# Altium PCB LAY-94611_B.PcbDoc (part 2 of 16)
Units mil, origin at the board's own origin, x right, y up, seen from the top; angles counter-clockwise.
Board outline 4133.86 x 2559.05 mil, 10 copper layers (TOP, GND02, ART03, PWR04, PWR05, ART06, GND7, ART08, GND09, BOTTOM), stack 57.82 mil thick; 1104 components, 727 nets, 3774 pads, 1630 vias.
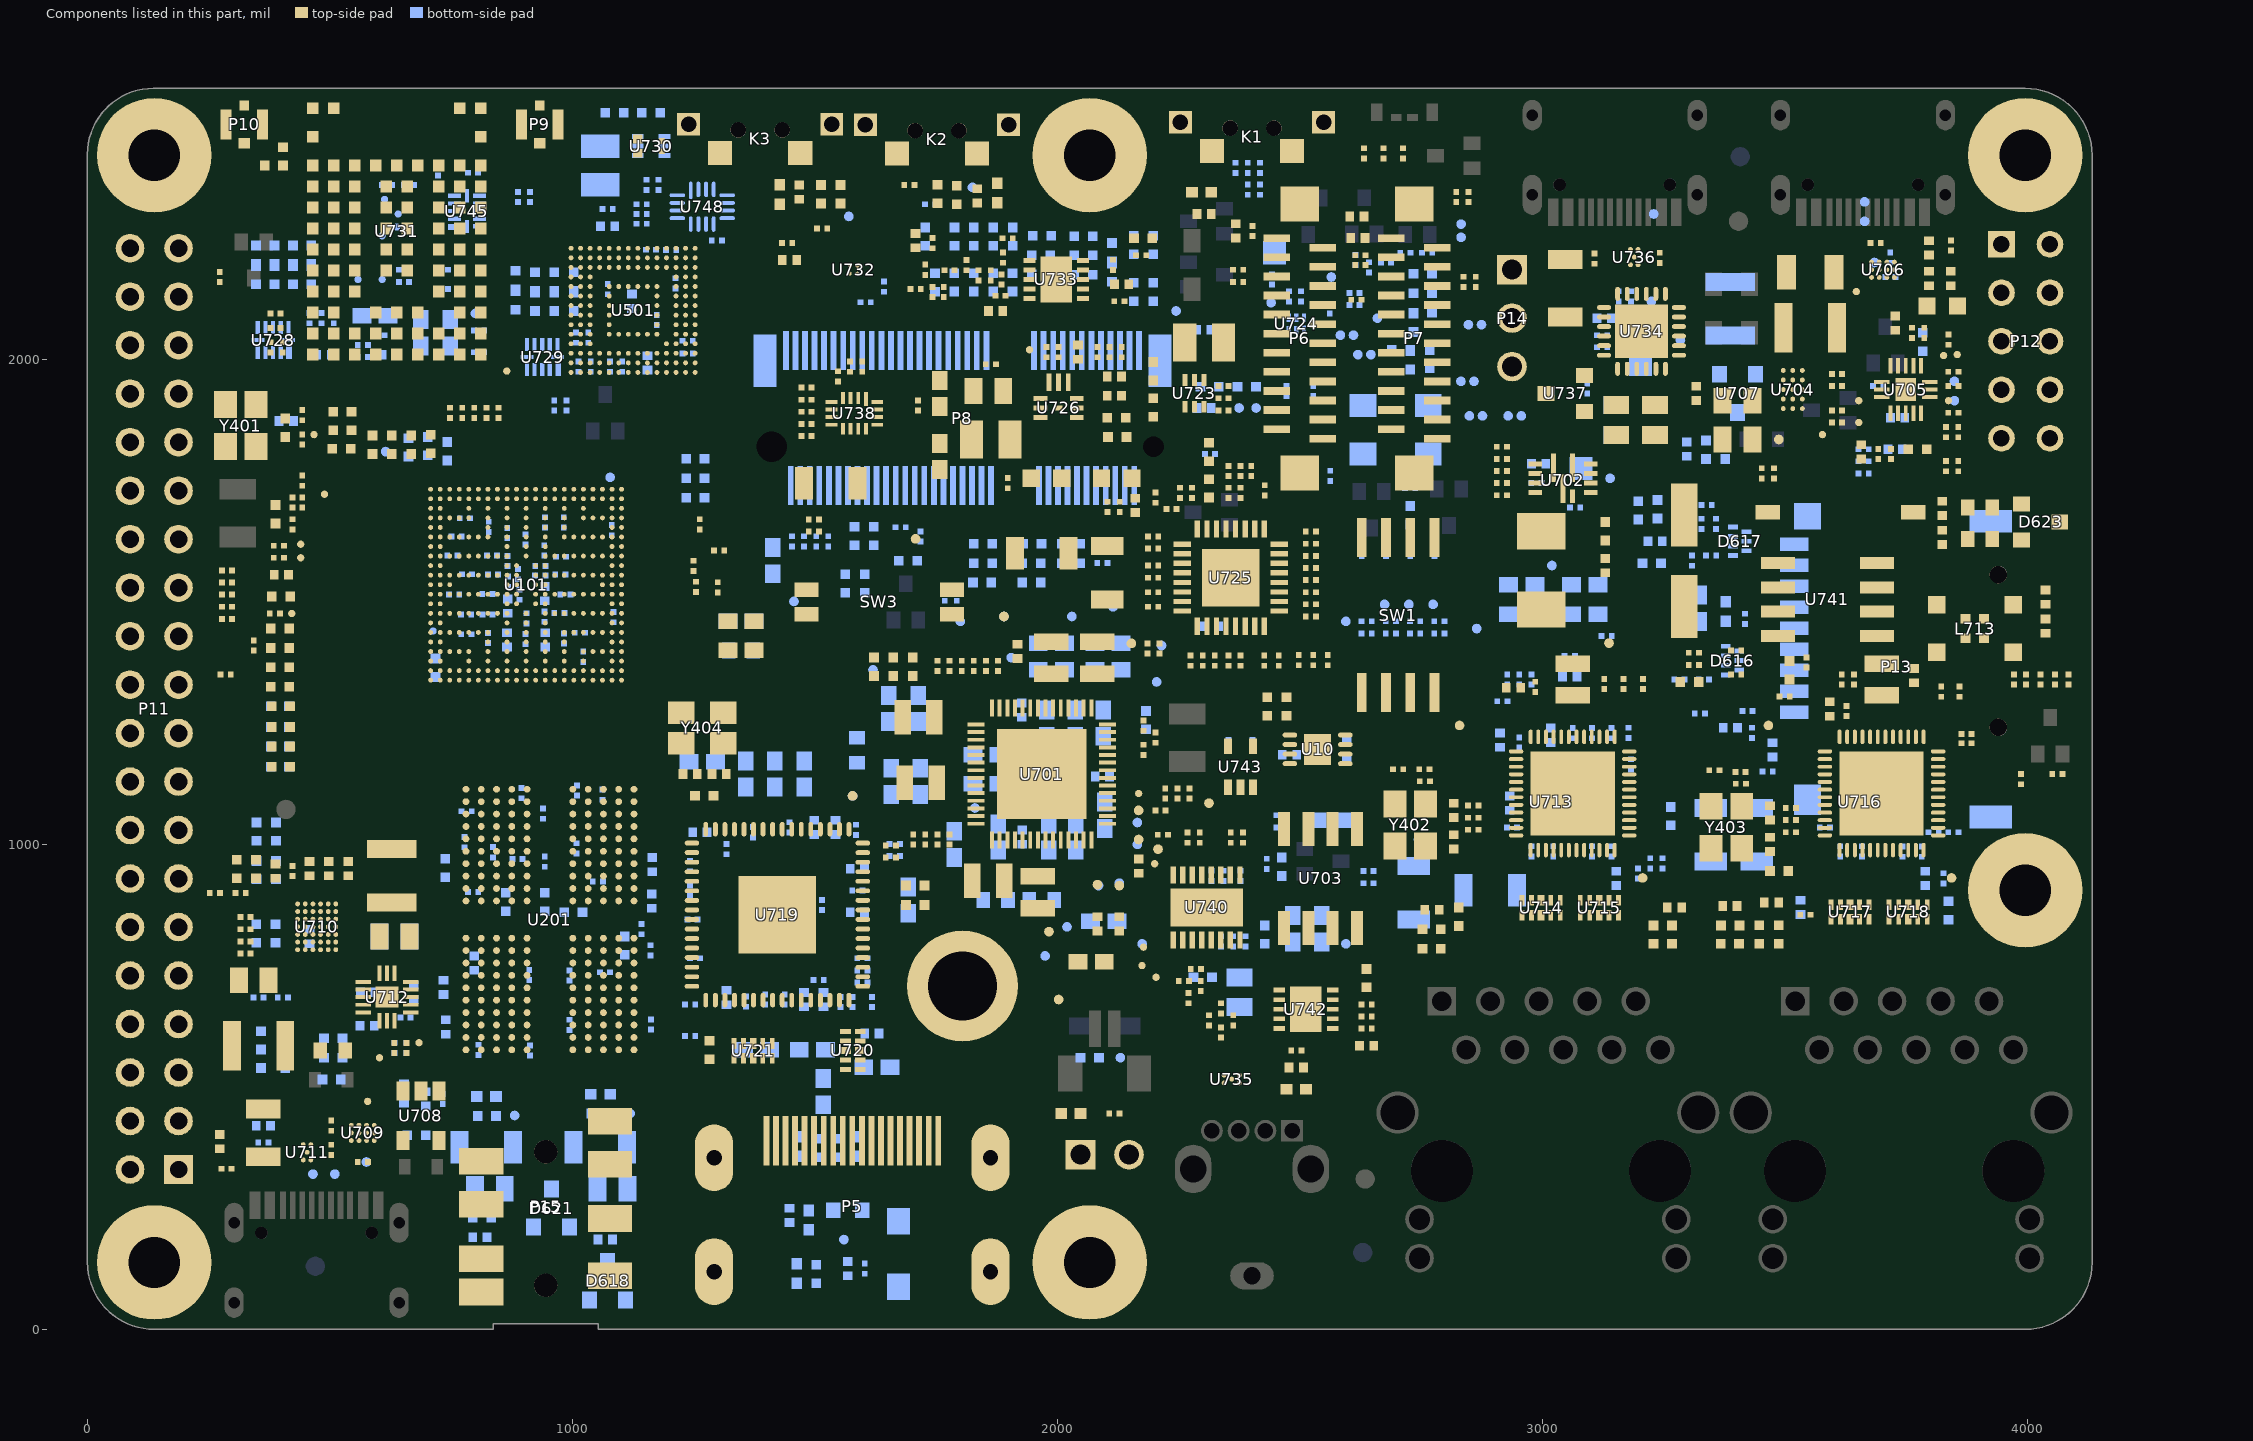
[diagram p10: the components of this part, seen from the top]

## Components (designator, comment, footprint, x,y, rotation, side; value= is the part's Value field where it differs from the comment) (continued)
R2819 "0R" R0402 1907.84,2252.2 r270 bottom
R2820 "0R" R0402 1867.84,2252.2 r270 bottom
R2821 "0R" R0402 1827.84,2252.2 r270 bottom
R2822 "10K" R0402 1965.6,2175.04 r180 bottom
R2823 "10K" R0402 2055,2174.96 r0 bottom
R2824 "0R" R0402 2112.72,2180 r90 bottom
R2825 "0R" R0402 2055,2214.96 r0 bottom
R2826 "0R" R0402 1965.6,2215.04 r180 bottom
R2827 "0R" R0402 1907.72,2160 r90 bottom
R2828 "0R" R0402 1867.72,2160 r90 bottom
R2829 "0R" R0402 1827.72,2160 r90 bottom
R2830 "0R" R0402 1846,1539.96 r0 bottom
R2831 "1K" R0201 2202.8,1715 r270 top
R2832 "0R" R0402 1845.6,1580.04 r180 bottom
R2833 "0R" R0402 1845.6,1620.04 r180 bottom
R2834 "0R" R0402 1948,1579.96 r0 bottom
R2835 "0R" R0402 1947.6,1620.04 r180 bottom
R2836 "0R" R0402 2709.76,2019.3 r0 bottom
R2837 "0R" R0402 2727.76,1999.3 r90 bottom
R2838 "0R" R0402 2752.6,2096.54 r180 bottom
R2839 "0R" R0402 2734.6,2076.54 r90 bottom
R2840 "1K" R0201 1897.8,1745 r270 top
R2841 "0R" R0402 1948,1539.96 r0 bottom
R2850 "4.7K" R0402 1693,1584.96 r0 bottom
R2851 "0R" R0402 1787.8,2160 r90 bottom
R2852 "0R" R0201 1717.8,1635 r90 bottom
R2853 "0R" R0402 2027.4,1620 r180 bottom
R2854 "0R" R0402 1787.84,2252.2 r270 bottom
R2855 "0R" R0402 2027.4,1580 r180 bottom
R2856 "0R" R0201 1527.8,1625 r90 bottom
R2857 "0R" R0201 1502.8,1625 r90 bottom
R2858 "0R" R0201 1792.8,1513.04 r270 bottom
R2859 "10K" R0201 2092.8,1580 r0 bottom
R2860 "0R" R0402 2389.8,1943.54 r180 bottom
R2861 "0R" R0201 1452.8,1625 r90 bottom
R2862 "10K" R0201 1737.8,2320 r180 bottom
R2863 "0R" R0201 1767.8,1513.04 r270 bottom
R2864 "100R" R0201 1477.8,1625 r90 bottom
R2865 "0R" R0201 1676.8,1654 r0 bottom
R2866 "0R" R0402 1581.8,1635 r270 bottom
R2867 "0R" R0402 1621.8,1635 r270 bottom
R2868 "0R" R0201 1642.8,2150 r90 bottom
R2870 "0R" R0402 1562.8,1539 r90 bottom
R2871 "0R" R0402 1602.8,1539 r90 bottom
R2873 "10K" R0201 2377.8,1770 r270 top
R2874 "100K" R0201 1185,2440 r270 top
R2875 "200K" R0402 1088,2508.96 r0 bottom
R2876 "100K" R0402 1163,2508.96 r0 bottom
R2877 "0R" R0402 383.34,2399.92 r180 top
R2878 "0R" R0402 403.34,2417.92 r270 top
R2881 "10K" R0201 732.8,2145 r180 bottom
R2882 "10K" R0201 732.8,2185 r180 bottom
R2883 "51K" R0201 652.8,2160 r180 bottom
R2884 "51K" R0201 652.8,2185 r180 bottom
R2885 "100K" R0201 1707.8,2145 r0 top
R2887 "10K" R0201 1765.8,2139 r90 top
R2888 "1K" R0201 1742.8,2139 r90 top
R2889 "100K" R0201 1885,2165 r270 top
R2890 "6.65K" R0402 2178,2250.04 r0 top
R2891 "10K" R0201 1837.8,2173.5 r90 top
R2892 "1K" R0201 1777.8,2184 r0 top
R2893 "100K" R0201 1812.8,2194.51 r270 top
R2894 "1K" R0201 1862.8,2173.5 r90 top
R2895 "0R" R0201 3847.8,1890 r0 top
R2896 "0R" R0201 3339,1699.93 r0 bottom
R2897 "10K" R0201 3328.43,1661 r270 bottom
R2898 "0R" R0201 3308.94,1585.04 r90 bottom
R2899 "0R" R0201 3358.43,1661 r90 bottom
R2900 "0R" R0201 3400,1400 r0 top
R2901 "0R" R0201 3348.43,1595.55 r0 bottom
R2902 "0R" R0201 3452.8,1765 r270 top
R2903 "0R" R0201 3333.43,1340 r0 bottom
R2904 "0R" R0201 3477.8,1765 r270 top
R2905 "0R" R0201 3400,1350 r0 top
R2906 "0R" R0201 3857.8,1850 r90 top
R2907 "0R" R0201 3857.8,1780 r90 top
R2908 "0R" R0201 3832.8,1780 r90 top
R2909 "0R" R0201 3832.8,1850 r90 top
R2910 "270R" R0402 1072.6,230.04 r180 bottom
R2911 "150R" R0402 1057.6,445.04 r180 bottom
R2912 "270R" R0402 812.6,230.04 r180 bottom
R2913 "150R" R0402 822.6,440.04 r180 bottom
R2914 "5.1K" R0201 3242.29,2209.49 r270 top
R2915 "5.1K" R0201 3107.8,2208 r270 top
R2916 "1K" R0201 287.8,1565 r0 top
R2917 "1K" R0201 287.8,1515 r180 top
R2918 "10K" R0201 1547.8,1965 r270 top
R2919 "10K" R0201 1482.8,1942 r180 top
R2922 "0R" R0201 2293.8,1014 r270 top
R2923 "0R" R0201 2357.8,1014 r270 top
R2924 "0R" R0402 3302.6,1334.96 r180 top
R2925 "0R" R0402 3509.96,1360.2 r90 top
R2926 "62R" R0603 3902.8,1695 r0 top
R2927 "0R" R0402 3893,1465.04 r0 top
R2928 "10K" R0201 3662.8,1765 r180 bottom
R2929 "0R" R0402 3893,1425.04 r0 top
R2930 "62R" R0603 3902.8,1630 r180 top
R2931 "0R" R0201 3662.8,1790 r180 bottom
R2932 "10K" R0201 3662.8,1815 r0 bottom
R2933 "0R" R0201 325.8,800 r0 top
R2934 "0R" R0201 657.29,580.51 r90 bottom
R2935 "0R" R0201 633.31,580.51 r90 bottom
R2936 "100K" R0201 422.8,945 r270 top
R2937 "100K" R0201 325.8,850 r0 top
R2938 "0R" R0201 325.8,825 r0 top
R2939 "0R" R0805 633.3,810 r0 top
R2940 "0R" R0805 633.3,810 r0 bottom
R2941 "240 OHM" R0201 1009.27,1111.08 r270 bottom
R2942 "0R" R0201 1142.8,825 r270 bottom
R2943 "4.7K" R0201 2727.8,1735 r180 bottom
R2945 "0R" R0201 2562.8,1760 r90 bottom
R2946 "10K" R0201 2916.8,1745 r180 top
R2947 "56K" R0201 2916.8,1820 r0 top
R2950 "0R" R0402 3247.6,794.96 r180 top
R2951 "330R" R0402 2773,785.04 r0 top
R2952 "0R" R0402 3487.76,815.2 r90 top
R2953 "0R" R0402 3388.7,832.86 r0 top
R2954 "10K" R0201 2314.82,1805 r0 bottom
R2955 "0R" R0201 272.8,2170 r270 top
R2956 "100K" R0201 387.8,2065 r180 top
R2957 "10K" R0201 387.8,2095 r0 top
R2958 "10K" R0201 1012.8,1985 r270 bottom
R2959 "0R" R0201 1077.8,1985 r270 bottom
R2960 "100K" R0201 1037.8,1985 r90 bottom
R2961 "0R" R0201 1102.8,1985 r90 bottom
R2965 "100K" R0201 2337.8,612 r270 top
R2966 "6.65K" R0402 2637.76,725.2 r90 top
R2967 "10K" R0201 2312.8,637 r270 top
R2969 "10K" R0201 2637.8,670 r180 top
R2970 "0R" R0201 2362.8,637 r90 top
R2972 "0R" R0201 1482.8,1917 r0 top
R2973 "0R" R0201 1482.8,1892 r0 top
R2974 "0R" R0201 1482.8,1867 r0 top
R2975 "0R" R0201 1482.8,1842 r0 top
R2976 "330R" R0402 2301,725.96 r0 bottom
R2977 "0R" R0402 2427.76,814.8 r90 bottom
R2978 "1K" R0402 2068,559.96 r0 bottom
R2979 "10K" R0201 2377.8,935 r270 bottom
R2980 "10K" R0201 2342.8,935 r270 bottom
R2981 "10K" R0201 2317.8,935 r270 bottom
R2982 "10K" R0201 2268.8,1014 r90 top
R2983 "10K" R0201 2382.8,1014 r90 top
R2984 "0R" R0201 2285.8,743 r180 top
R2985 "10K" R0201 2260.8,718 r180 top
R2986 "10K" R0201 2295.8,708 r270 top
R2987 "0R" R0201 2270.8,683 r270 top
R2988 "0R" R0402 398,1405.04 r0 top
R2990 "0R" R0402 398,1365.04 r0 top
R2992 "0R" R0402 398,1445.04 r0 top
R2993 "0R" R0402 398,1325.04 r0 top
R2994 "1.5K" R0201 342.8,1410 r270 top
R2995 "1.5K" R0201 285,1350 r0 top
R2996 "0R" R0201 1656.8,973 r0 top
R2997 "0R" R0201 1664.8,976 r0 bottom
R2998 "0R" R0402 388.76,1025.2 r270 bottom
R2999 "0R" R0402 347.76,950.2 r90 top
R3000 "0R" R0402 348.76,1025.2 r270 bottom
R3001 "0R" R0402 307.76,950.2 r90 top
R3002 "0R" R0402 2727.76,1679.8 r90 bottom
R3005 "100R" R0201 2522.8,1645 r0 top
R3015 "10K" R0201 795,2385 r0 bottom
R3016 "1K" R0201 1727.8,2185 r270 top
R3017 "0R" R0402 2767.84,1999.7 r270 bottom
R3018 "0R" R0402 2752.6,2136.54 r180 bottom
R3019 "200K" R0201 2392.8,2350 r270 bottom
R3020 "200K" R0201 2367.8,2395 r90 bottom
R3021 "0R" R0201 2417.8,2395 r90 bottom
R3022 "0R" R0201 2417.8,2350 r270 bottom
R3023 "0R" R0201 1142.8,2280 r0 bottom
R3024 "0R" R0201 1297.8,2245 r180 bottom
R3025 "10K" R0201 1177.8,2360 r90 bottom
R3026 "10K" R0201 1152.8,2360 r90 bottom
R3027 "10K" R0201 1300,2410 r180 bottom
R3028 "0R" R0402 2315.2,1943.46 r0 bottom
R3029 "0R" R0201 662.8,2360 r180 bottom
R3030 "0R" R0201 617.8,2360 r0 bottom
R3031 "10K" R0201 1604.8,2118 r180 bottom
R3032 "100R" R0201 2197.8,1490 r180 top
R3033 "0R" R0201 2862.8,2160 r270 top
R3034 "0R" R0201 2612.8,2137 r0 bottom
R3035 "0R" R0201 2612.8,2112 r0 bottom
R3036 "0R" R0201 2837.8,2160 r270 top
R3037 "0R" R0402 1747.76,2159.8 r90 bottom
R3038 "0R" R0402 1727.84,2252.2 r270 bottom
R3039 "0R" R0201 2342.8,1920 r180 top
R3040 "100R" R0201 2252.8,1725 r90 top
R3041 "100K" R0201 2342.8,1945 r180 top
R3042 "1M" R1206 2892.8,905 r180 bottom
R3043 "1M" R1206 3442.8,1020 r90 bottom
R3044 "100R" R0201 2185.8,1404 r270 top
R3045 "0R" R0201 3222.8,961.02 r90 bottom
R3046 "0R" R0201 2927.8,1340 r90 bottom
R3047 "0R" R0201 3247.8,961.02 r90 bottom
R3048 "0R" R0201 2952.8,1340 r90 bottom
R3049 "0R" R0201 3807.3,1025 r0 bottom
R3050 "0R" R0201 3847.8,1025 r180 bottom
R3051 "0R" R0201 3617.8,1340 r270 top
R3052 "0R" R0201 3642.8,1340 r270 top
R3053 "100R" R0201 2522.8,1570 r0 top
R3054 "100R" R0201 2400,1770 r90 top
R3055 "10K" R0201 2115,2195 r90 top
R3056 "0R" R0201 1888,2210 r90 top
R3057 "10K" R0201 1695,2360 r0 top
R3058 "10K" R0201 1515,2270 r0 top
R3059 "10K" R0201 4085,1340 r270 top
R3060 "10K" R0201 4062.49,1145 r180 top
SW1 "CHS-04TA" SW_CHS_04_A 2702.8,1473 r90 top
SW3 "SW_SMT_2" SW_SMT_4 1632.8,1499.21 r270 top
SW4 "SW_SMT_1" SW_2P8X5P4_SM 3615,1685 r270 top
TP202 "TPAD_015" TPAD_015 712.8,1440 r180 bottom
TP408 "TPAD_015" TPAD_015 421.31,1476 r270 top
TP410 "TPAD_015" TPAD_015 439.8,1591 r180 top
TP411 "TPAD_015" TPAD_015 439.8,1619 r180 top
TP412 "TPAD_015" TPAD_015 488.8,1722 r90 top
TP417 "TPAD_015" TPAD_015 467.3,1845 r180 top
TP702 "TPAD_020" TPAD_020 2002.8,680 r180 top
TP703 "TPAD_020" TPAD_020 1577.8,1100 r180 top
TP706 "TPAD_020" TPAD_020 1890,1470 r180 top
TP707 "TPAD_020" TPAD_020 2152.8,1414.5 r180 top
TP708 "TPAD_020" TPAD_020 1982.8,820 r180 top
TP709 "TPAD_020" TPAD_020 2167.8,1070 r180 top
TP710 "TPAD_020" TPAD_020 2207.8,990 r180 top
TP711 "TPAD_020" TPAD_020 2082.8,917 r180 top
TP712 "TPAD_020" TPAD_020 2167.8,1010 r180 top
TP713 "TPAD_020" TPAD_020 2127.8,915 r180 top
TP714 "TPAD_015" TPAD_015 2167.8,1105 r180 top
TP915 "TPAD_020" TPAD_020 2312.8,1085 r180 top
TP916 "TPAD_020" TPAD_020 1707.8,1630 r0 top
TP917 "TPAD_1212" TPAD_1212 3079.8,1775 r90 bottom
TP918 "TPAD_1212" TPAD_1212 3202.8,1990 r90 bottom
TP919 "TPAD_1212" TPAD_1212 2447.8,2220 r180 bottom
TP920 "TPAD_020" TPAD_020 3487.8,1835 r90 top
TP921 "TPAD_015" TPAD_015 3577.8,1845 r180 top
TP922 "TPAD_015" TPAD_015 3652.8,1915 r90 top
TP923 "TPAD_015" TPAD_015 3652.8,1870 r90 top
TP924 "TPAD_015" TPAD_015 3855.8,2010 r90 top
TP925 "TPAD_015" TPAD_015 3837.8,1915 r90 top
TP926 "TPAD_015" TPAD_015 3827.8,2008 r90 top
TP927 "TPAD_015" TPAD_015 3647.8,2140 r0 top
TP928 "TPAD_015" TPAD_015 577.8,470 r90 top
TP932 "TPAD_015" TPAD_015 683.8,591 r0 top
TP933 "TPAD_015" TPAD_015 602.05,560 r0 top
TP934 "TPAD_015" TPAD_015 1942.8,2020 r180 top
TP935 "TPAD_015" TPAD_015 640.8,2300 r270 bottom
TP936 "TPAD_015" TPAD_015 612.8,2330 r270 bottom
TP937 "TPAD_015" TPAD_015 607.8,2255 r270 bottom
TP938 "TPAD_015" TPAD_015 637.8,2273 r270 bottom
TP1015 "TPAD_015" TPAD_015 2200.8,960 r270 top
TP1016 "TPAD_015" TPAD_015 2177.8,788 r270 top
TP1017 "TPAD_015" TPAD_015 2174.8,750 r270 top
TP1018 "TPAD_015" TPAD_015 2203.8,726 r270 top
TP1019 "TPAD_015" TPAD_015 864.8,1976 r0 top
TP1020 "TPAD_015" TPAD_015 557.8,2165 r180 bottom
TP1021 "TPAD_015" TPAD_015 607.8,2165 r180 bottom
TP1022 "TPAD_020" TPAD_020 3285,2040 r180 bottom
TP1023 "TPAD_020" TPAD_020 3137.8,1415 r0 top
TP1024 "TPAD_020" TPAD_020 3665,2285 r180 bottom
TP1025 "TPAD_020" TPAD_020 3665,2325 r180 bottom
TP1026 "TPAD_020" TPAD_020 3685,2200 r180 bottom
TP1027 "TPAD_020" TPAD_020 3610,2050 r180 bottom
TP1028 "TPAD_020" TPAD_020 3225,2120 r180 bottom
TP1029 "TPAD_020" TPAD_020 1560,185 r180 bottom
TP1030 "TPAD_020" TPAD_020 3140,1755 r180 bottom
TP1031 "TPAD_020" TPAD_020 510,320 r180 bottom
TP1032 "TPAD_020" TPAD_020 800,2095 r180 bottom
TP1033 "TPAD_020" TPAD_020 465,320 r180 bottom
TP1034 "TPAD_020" TPAD_020 575,345 r180 bottom
TP1037 "TPAD_020" TPAD_020 3020,1575 r180 bottom
TP1038 "TPAD_020" TPAD_020 2595,795 r180 bottom
TP1039 "TPAD_020" TPAD_020 1825,2355 r180 bottom
TP1040 "TPAD_020" TPAD_020 1570,2295 r180 bottom
TP1041 "TPAD_020" TPAD_020 615,1810 r180 bottom
TP1042 "TPAD_020" TPAD_020 3230,2300 r180 bottom
TP1043 "TPAD_020" TPAD_020 2865,1445 r180 bottom
TP1046 "TPAD_020" TPAD_020 2130,560 r180 bottom
TP1047 "TPAD_020" TPAD_020 1119,445 r180 bottom
TP1048 "TPAD_020" TPAD_020 881,441 r180 bottom
TP1049 "TPAD_020" TPAD_020 1830,1075 r180 bottom
TP1050 "TPAD_020" TPAD_020 2646.8,2010 r180 bottom
TP1051 "TPAD_020" TPAD_020 2619.8,2010 r180 bottom
TP1052 "TPAD_020" TPAD_020 2610.8,2050 r180 bottom
TP1053 "TPAD_020" TPAD_020 2583.8,2050 r180 bottom
TP1054 "TPAD_020" TPAD_020 2410,1900 r180 bottom
TP1055 "TPAD_020" TPAD_020 2375,1900 r180 bottom
TP1056 "TPAD_020" TPAD_020 1620,1360 r180 bottom
TP1057 "TPAD_020" TPAD_020 2441,2117 r180 bottom
TP1058 "TPAD_020" TPAD_020 2205,1335 r180 bottom
TP1059 "TPAD_020" TPAD_020 2745,1010 r180 bottom
TP1060 "TPAD_020" TPAD_020 3850,1955 r180 bottom
TP1061 "TPAD_020" TPAD_020 3850,1915 r180 bottom
TP1062 "TPAD_020" TPAD_020 2245,2100 r180 bottom
TP1063 "TPAD_020" TPAD_020 2660,2085 r180 bottom
TP1064 "TPAD_020" TPAD_020 2565,2170 r180 bottom
TP1065 "TPAD_020" TPAD_020 2275,2015 r180 bottom
TP1066 "TPAD_020" TPAD_020 2175,795 r180 bottom
TP1067 "TPAD_020" TPAD_020 2030,1470 r180 bottom
TP1068 "TPAD_020" TPAD_020 2876.8,1883.78 r180 bottom
TP1069 "TPAD_020" TPAD_020 2849.8,1883.78 r180 bottom
TP1070 "TPAD_020" TPAD_020 2859.33,1955 r180 bottom
TP1071 "TPAD_020" TPAD_020 2832.33,1955 r180 bottom
TP1072 "TPAD_020" TPAD_020 2929.8,1883.78 r180 bottom
TP1073 "TPAD_020" TPAD_020 2956.8,1883.78 r180 bottom
TP1074 "TPAD_020" TPAD_020 2874.8,2071.63 r180 bottom
TP1075 "TPAD_020" TPAD_020 2847.8,2071.63 r180 bottom
TP1076 "TPAD_020" TPAD_020 2832.8,2279 r180 bottom
TP1077 "TPAD_020" TPAD_020 2832.8,2252 r180 bottom
TP1078 "TPAD_020" TPAD_020 2215,1410 r180 bottom
TP1079 "TPAD_020" TPAD_020 2595,1460 r180 bottom
TP1080 "TPAD_020" TPAD_020 2675,1495 r180 bottom
TP1081 "TPAD_020" TPAD_020 2725,1495 r180 bottom
TP1082 "TPAD_020" TPAD_020 2775,1495 r180 bottom
TP1083 "TPAD_020" TPAD_020 1457,1501 r180 bottom
TP1084 "TPAD_020" TPAD_020 1078,1757 r180 bottom
TP1085 "TPAD_020" TPAD_020 1890,1470 r180 bottom
TP1086 "TPAD_020" TPAD_020 1800,1460 r180 bottom
TP1087 "TPAD_020" TPAD_020 1975,770 r180 bottom
TP1088 "TPAD_020" TPAD_020 1577.8,1100 r180 bottom
TP1089 "TPAD_020" TPAD_020 1905,1385 r180 bottom
TP1090 "TPAD_020" TPAD_020 2115,1490 r180 bottom
TP1091 "TPAD_020" TPAD_020 2020,830 r180 bottom
TP1092 "TPAD_020" TPAD_020 2165,1045 r180 bottom
TP1093 "TPAD_020" TPAD_020 2085,915 r180 bottom
TP1094 "TPAD_020" TPAD_020 2165,1000 r180 bottom
TP1095 "TPAD_020" TPAD_020 2127.8,920 r180 bottom
U10 "AT24C256D_MAHM_T" UDFN-8P 2536.8,1196 r90 top
U101 "SKT BGA 306 + MIMX9352DVNxLAA" SKT_BGA306_0P5_SQ16P23_ELAST_NSP 875.83,1525.65 r180 top
U201 "MT53E1G16D1FW-046 AAT:A" BGA200_0P65X0P8_10X14P5 953.8,845 r0 top
U501 "FEMDRM032G-A3A55" FBGA153_0P5_11P5X13 1125.18,2101.24 r180 top
U701 "PCA9451AHNY" HVQFN56_0P4_7X7_EP4P7MM 1967.8,1145 r180 top
U702 "MP8759" QFN12_0P5_3P1X2P1 3042.8,1754.88 r0 top
U703 "FDS4435" SOP8_1_27 2542.8,930 r180 top
U704 "NX20P5090UK" WLCSP15_0P5_1P57X2P59 3516.8,1938 r180 top
U705 "PTN5110" HX2QFN16_0P4_2P7X2P7 3749.8,1938 r90 top
U706 "NX20P0407" WLCSP12_0P4_1P3X1P7MM_SMDP 3702.8,2185 r270 top
U707 "TLV76033DBZR" SOT23_A 3402.8,1930 r0 bottom
U708 "SGM8709YN5G" SOT-23-5 688.8,440 r180 top
U709 "NX20P0407" WLCSP12_0P4_1P3X1P7MM_SMDP 567.8,405 r90 top
U710 "NX20P3483UK" WLCSP42_0P4_2P94X2P54_SMDP 472.8,830 r0 top
U711 "PCMF1USB3S" WLCSP5_0P4_0P82X1P22 452.8,365 r180 top
U712 "PTN5110" HX2QFN16_0P4_2P7X2P7 617.8,685 r0 top
U713 "YT8521SH-CA" QFN48P_0_4BSC_6X6_H 3062.8,1105 r0 top
U714 "TPD4E05U06DQAR" USON-10 2997.8,869.34 r0 top
U715 "TPD4E05U06DQAR" USON-10 3117.8,869.34 r0 top
U716 "YT8521SH-CA" QFN48P_0_4BSC_6X6_H 3699.8,1105 r0 top
U717 "TPD4E05U06DQAR" USON-10 3634.8,860.68 r0 top
U718 "TPD4E05U06DQAR" USON-10 3754.8,860.68 r0 top
U719 "IT6263" QFN64_0P5_9X9_157EP 1422.8,855 r90 top
U720 "TPD4E05U06DQAR" USON-10 1578.48,575 r270 top
U721 "TPD4E05U06DQAR" USON-10 1372.8,574.32 r180 top
U722 "MBR0540" SOD_123 1672.8,155 r270 bottom
U723 "MP1605C" SOT563 2280.97,1930 r90 top
U724 "NLSX5011MUTCG" UDFN6_0P4_1P2X1 2492.96,2073.31 r270 bottom
U725 "PCAL6524HEAZ" UQFN32_0P5_5X5_EP3X3 2357.8,1550 r180 top
U726 "MP2147GD" QFN12_0P5_2X3MM_EP 2002.8,1900.14 r180 top
U728 "74AVC4T3144" UQFN12_1P7X2MM 382.8,2040.1 r270 bottom
U729 "74AVC4T3144" UQFN12_1P7X2MM 937.8,2005.1 r270 bottom
U730 "MP1605C" SOT563 1162.3,2441.83 r180 bottom
U731 "MAYA-W27x" MAYA-W2 637.8,2262.12 r90 top
U732 "SGM2575" WLCSP_0_8_4B 1580,2185 r180 top
U733 "SGM2526" TDFN_3X3_10L 1997.8,2165 r90 top
U734 "CH342F" QFN24P_0_5 3204.8,2058 r270 top
U735 "PCMF1USB3S" WLCSP5_0P4_0P82X1P22 2359.8,516 r270 top
U736 "PCMF1USB3S" WLCSP5_0P4_0P82X1P22 3189.8,2211 r0 top
U737 "TLV76033DBZR" SOT23_A 3047.8,1930 r90 top
U738 "SN74AVC4T245RSVR" UQFN16_26X18 1581.74,1888.94 r270 top
U740 "PCF2131" SO16_0P5_3P5X4P5_MM 2307.8,870 r270 top
U741 "TJA1051T/3" SOP8_1_27 3588.3,1505 r270 top
U742 "SGM2526" TDFN_3X3_10L 2512.8,660 r90 top
U743 "74AUP1G07GW" SC70-5 2377.5,1160 r0 top
U745 "74AVC4T3144" UQFN12_1P7X2MM 782.7,2306 r180 bottom
U746 "MBR0540" SOD_123 2697.8,1905 r0 bottom
U747 "MBR0540" SOD_123 2697.8,1805 r0 bottom
U748 "PCAL6408AHK" XQFN16 1267.8,2315 r0 bottom
Y401 "24MHZ" XTLOSC4_3P2X2P5MM_SM 316.01,1863.64 r90 top
Y402 "25MHZ" XTLOSC4_3P2X2P5MM_SM 2727.8,1040.02 r270 top
Y403 "25MHZ" XTLOSC4_3P2X2P5MM_SM 3379.8,1035.02 r270 top
Y404 "27MHZ" XTLOSC4_3P2X2P5MM_SM 1267.82,1240 r180 top

## Footprints (in the part's own frame and the unit in brackets; to place one, negate y for a bottom-side part, rotate by r counter-clockwise, add the part's x,y. Pads: shape width x height; smd on the part's side, far side on the other; paste and mask are expansions set on the pad)
0402TVS [mil] "0402TVS"
  rect 24x22 smd: 1(-20.01,-0.01) 2(19.99,-0.01)
  silkscreen extent -46,-16 37,16, body extent -22,-10 22,10, height 24
ASH-BIN-V2 [mil] "ASH-BIN-V2"
  silkscreen extent -80,-30 95,203
BGA200_0P65X0P8_10X14P5 [mil] "BGA200_0P65X0P8_10X14P5"
  round 14 smd: A1(-173.23,268.7) A2(-141.73,268.7) A3(-110.24,268.7) A4(-78.74,268.7) A5(-47.24,268.7) A8(47.24,268.7) A9(78.74,268.7) A10(110.24,268.7) A11(141.73,268.7) A12(173.23,268.7) AA1(-173.23,-243.11) AA2(-141.73,-243.11) AA3(-110.24,-243.11) AA4(-78.74,-243.11) AA5(-47.24,-243.11) AA8(47.24,-243.11) AA9(78.74,-243.11) AA10(110.24,-243.11) AA11(141.73,-243.11) AA12(173.23,-243.11) AB1(-173.23,-268.7) AB2(-141.73,-268.7) AB3(-110.24,-268.7) AB4(-78.74,-268.7) AB5(-47.24,-268.7) AB8(47.24,-268.7) AB9(78.74,-268.7) AB10(110.24,-268.7) AB11(141.73,-268.7) AB12(173.23,-268.7) B1(-173.23,243.11) B2(-141.73,243.11) B3(-110.24,243.11) B4(-78.74,243.11) B5(-47.24,243.11) B8(47.24,243.11) B9(78.74,243.11) B10(110.24,243.11) B11(141.73,243.11) B12(173.23,243.11) C1(-173.23,217.52) C2(-141.73,217.52) C3(-110.24,217.52) C4(-78.74,217.52) C5(-47.24,217.52) C8(47.24,217.52) C9(78.74,217.52) C10(110.24,217.52) C11(141.73,217.52) C12(173.23,217.52) D1(-173.23,191.93) D2(-141.73,191.93) D3(-110.24,191.93) D4(-78.74,191.93) D5(-47.24,191.93) D8(47.24,191.93) D9(78.74,191.93) D10(110.24,191.93) D11(141.73,191.93) D12(173.23,191.93) E1(-173.23,166.34) E2(-141.73,166.34) E3(-110.24,166.34) E4(-78.74,166.34) E5(-47.24,166.34) E8(47.24,166.34) E9(78.74,166.34) E10(110.24,166.34) E11(141.73,166.34) E12(173.23,166.34) F1(-173.23,140.75) F2(-141.73,140.75) F3(-110.24,140.75) F4(-78.74,140.75) F5(-47.24,140.75) F8(47.24,140.75) F9(78.74,140.75) F10(110.24,140.75) F11(141.73,140.75) F12(173.23,140.75) G1(-173.23,115.16) G2(-141.73,115.16) G3(-110.24,115.16) G4(-78.74,115.16) G5(-47.24,115.16) G8(47.24,115.16) G9(78.74,115.16) G10(110.24,115.16) G11(141.73,115.16) G12(173.23,115.16) H1(-173.23,89.57) H2(-141.73,89.57) H3(-110.24,89.57) H4(-78.74,89.57) H5(-47.24,89.57) H8(47.24,89.57) H9(78.74,89.57) H10(110.24,89.57) H11(141.73,89.57) H12(173.23,89.57) J1(-173.23,63.98) J2(-141.73,63.98) J3(-110.24,63.98) J4(-78.74,63.98) J5(-47.24,63.98) J8(47.24,63.98) J9(78.74,63.98) J10(110.24,63.98) J11(141.73,63.98) J12(173.23,63.98) K1(-173.23,38.39) K2(-141.73,38.39) K3(-110.24,38.39) K4(-78.74,38.39) K5(-47.24,38.39) K8(47.24,38.39) K9(78.74,38.39) K10(110.24,38.39) K11(141.73,38.39) K12(173.23,38.39) N1(-173.23,-38.39) N2(-141.73,-38.39) N3(-110.24,-38.39) N4(-78.74,-38.39) N5(-47.24,-38.39) N8(47.24,-38.39) N9(78.74,-38.39) N10(110.24,-38.39) N11(141.73,-38.39) N12(173.23,-38.39) P1(-173.23,-63.98) P2(-141.73,-63.98) P3(-110.24,-63.98) P4(-78.74,-63.98) P5(-47.24,-63.98) P8(47.24,-63.98) P9(78.74,-63.98) P10(110.24,-63.98) P11(141.73,-63.98) P12(173.23,-63.98) R1(-173.23,-89.57) R2(-141.73,-89.57) R3(-110.24,-89.57) R4(-78.74,-89.57) R5(-47.24,-89.57) R8(47.24,-89.57) R9(78.74,-89.57) R10(110.24,-89.57) R11(141.73,-89.57) R12(173.23,-89.57) T1(-173.23,-115.16) T2(-141.73,-115.16) T3(-110.24,-115.16) T4(-78.74,-115.16) T5(-47.24,-115.16) T8(47.24,-115.16) T9(78.74,-115.16) T10(110.24,-115.16) T11(141.73,-115.16) T12(173.23,-115.16) U1(-173.23,-140.75) U2(-141.73,-140.75) U3(-110.24,-140.75) U4(-78.74,-140.75) U5(-47.24,-140.75) U8(47.24,-140.75) U9(78.74,-140.75) U10(110.24,-140.75) U11(141.73,-140.75) U12(173.23,-140.75) V1(-173.23,-166.34) V2(-141.73,-166.34) V3(-110.24,-166.34) V4(-78.74,-166.34) V5(-47.24,-166.34) V8(47.24,-166.34) V9(78.74,-166.34) V10(110.24,-166.34) V11(141.73,-166.34) V12(173.23,-166.34) W1(-173.23,-191.93) W2(-141.73,-191.93) W3(-110.24,-191.93) W4(-78.74,-191.93) W5(-47.24,-191.93) W8(47.24,-191.93) W9(78.74,-191.93) W10(110.24,-191.93) W11(141.73,-191.93) W12(173.23,-191.93) Y1(-173.23,-217.52) Y2(-141.73,-217.52) Y3(-110.24,-217.52) Y4(-78.74,-217.52) Y5(-47.24,-217.52) Y8(47.24,-217.52) Y9(78.74,-217.52) Y10(110.24,-217.52) Y11(141.73,-217.52) Y12(173.23,-217.52)